# KiCad board ddr5-testboard.kicad_pcb (continued)
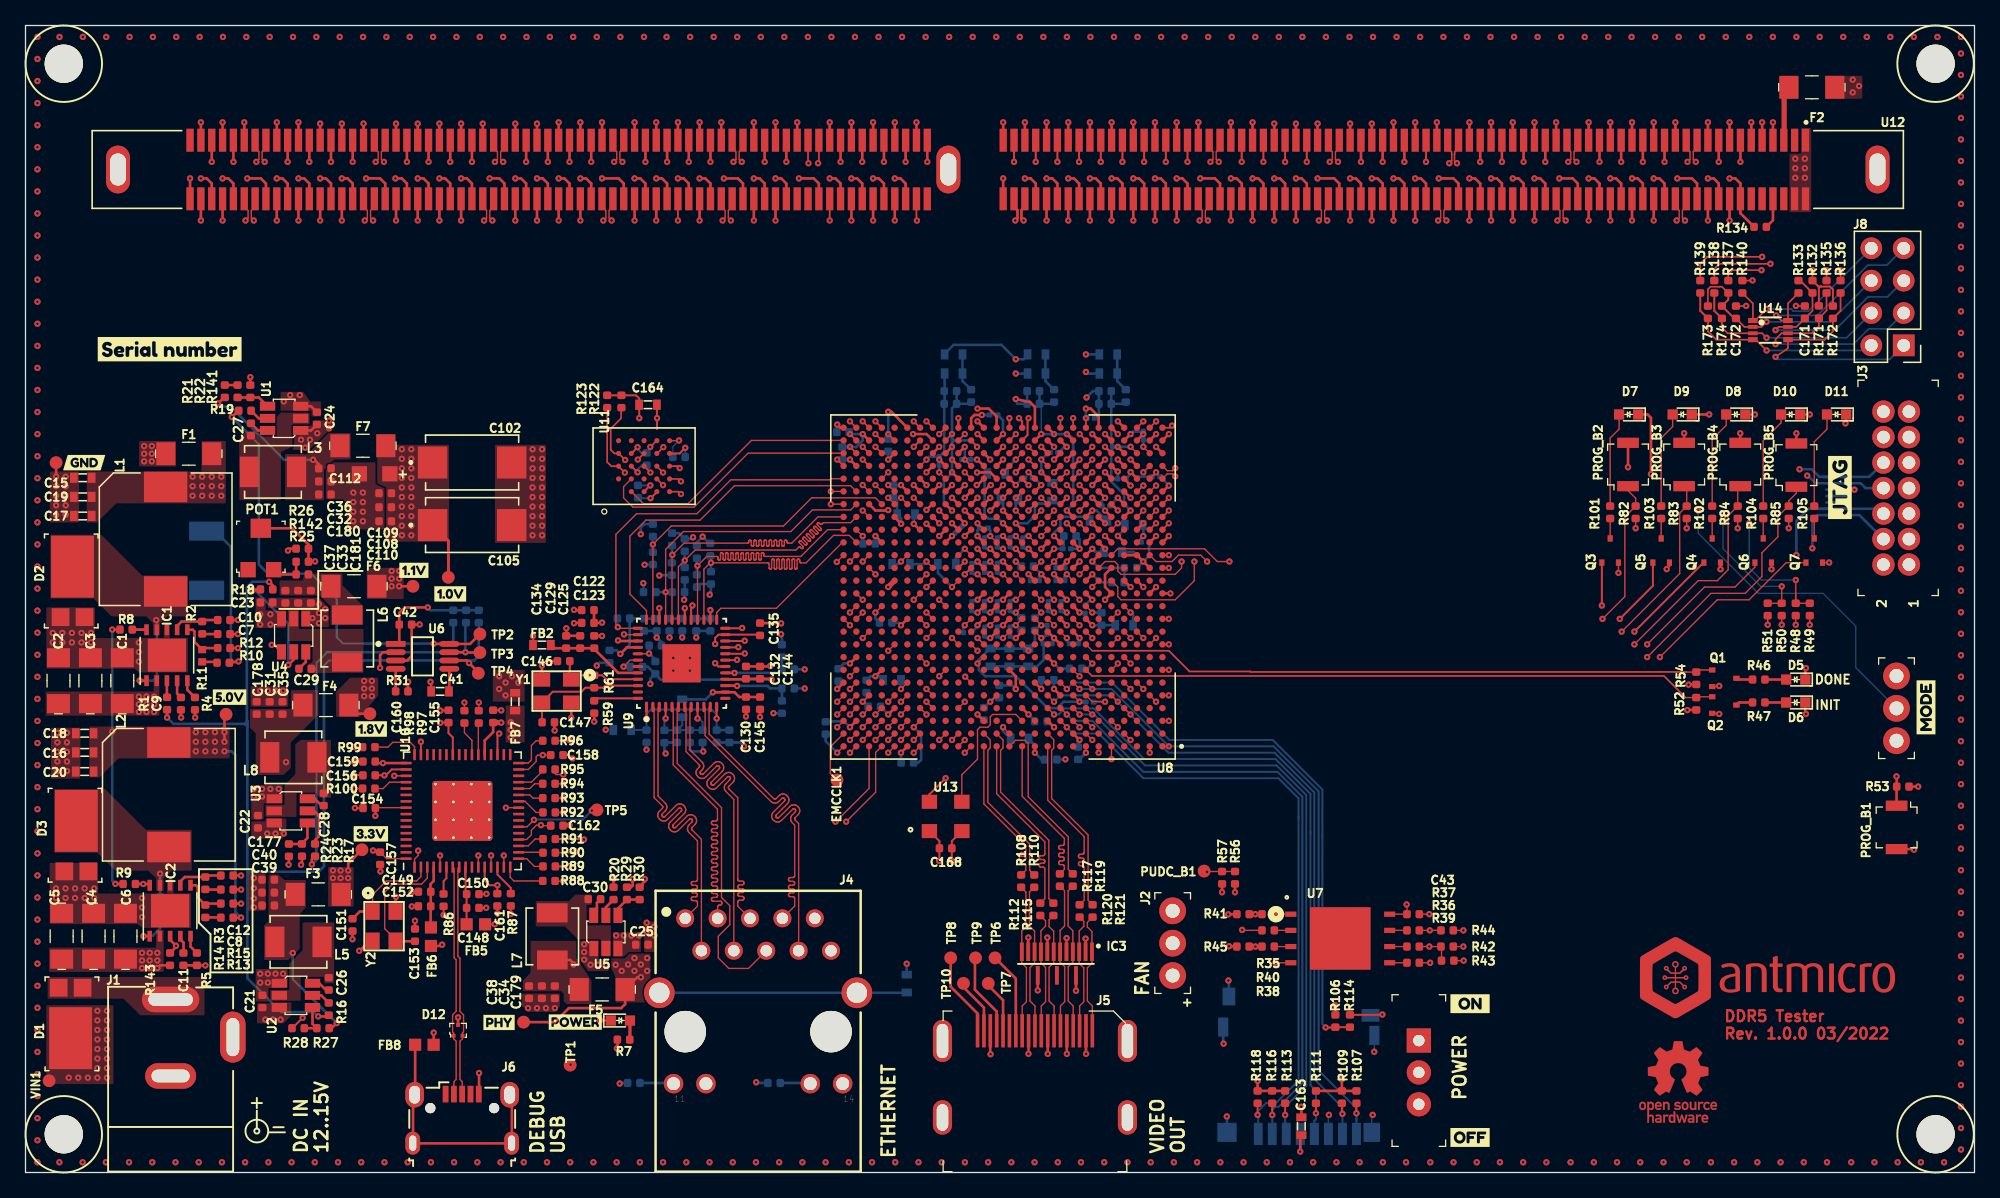
[diagram p0: board, top side]
## Routing (per net, layer and track width the routed paths; a pad name or vN(x,y) marks a point on that pad's centre or on a via; arc(x,y) is an arc through that point) (continued)
DQ4_A: length 77.6
  Top w0.2: U12.14 v4(128.5,79.3) ; U8.U1 v4(89.64,49.94)
  In2.Cu w0.127: v4(89.64,49.94) 113.89,49.94 128.5,64.55 128.5,72.8 128.5,72.83 128.49,72.86 128.47,72.88 128.45,72.9 128.43,72.92 128.4,72.93 128.37,72.93 128.23,72.93 128.2,72.93 128.18,72.94 128.15,72.96 128.13,72.98 128.12,73 128.11,73.03 128.1,73.06 128.11,73.09 128.12,73.11 128.13,73.14 128.15,73.16 128.18,73.17 128.2,73.18 128.23,73.19 128.77,73.19 128.8,73.19 128.82,73.2 128.85,73.21 128.87,73.23 128.88,73.26 128.89,73.28 128.9,73.31 128.89,73.34 128.88,73.37 128.87,73.39 128.85,73.41 128.82,73.43 128.8,73.44 128.77,73.44 128.23,73.44 128.2,73.44 128.18,73.45 128.15,73.47 128.13,73.49 128.12,73.51 128.11,73.54 128.1,73.57 128.11,73.59 128.12,73.62 128.13,73.65 128.15,73.67 128.18,73.68 128.2,73.69 128.23,73.69 128.77,73.69 128.8,73.7 128.82,73.71 128.85,73.72 128.87,73.74 128.88,73.76 128.89,73.79 128.9,73.82 128.89,73.85 128.88,73.88 128.87,73.9 128.85,73.92 128.82,73.93 128.8,73.94 128.77,73.95 128.23,73.95 128.2,73.95 128.18,73.96 128.15,73.97 128.13,73.99 128.12,74.02 128.11,74.05 128.1,74.07 128.11,74.1 128.12,74.13 128.13,74.15 128.15,74.17 128.18,74.19 128.2,74.2 128.23,74.2 128.77,74.2 128.8,74.2 128.82,74.21 128.85,74.23 128.87,74.25 128.88,74.27 128.89,74.3 128.9,74.33 128.89,74.36 128.88,74.38 128.87,74.41 128.85,74.43 128.82,74.44 128.8,74.45 128.77,74.45 128.23,74.45 128.2,74.46 128.18,74.47 128.15,74.48 128.13,74.5 128.12,74.53 128.11,74.55 128.1,74.58 128.11,74.61 128.12,74.64 128.13,74.66 128.15,74.68 128.18,74.7 128.2,74.71 128.23,74.71 128.77,74.71 128.8,74.71 128.82,74.72 128.85,74.74 128.87,74.76 128.88,74.78 128.89,74.81 128.9,74.84 128.89,74.86 128.88,74.89 128.87,74.92 128.85,74.94 128.82,74.95 128.8,74.96 128.77,74.96 128.23,74.96 128.2,74.97 128.18,74.98 128.15,74.99 128.13,75.01 128.12,75.03 128.11,75.06 128.1,75.09 128.11,75.12 128.12,75.15 128.13,75.17 128.15,75.19 128.18,75.2 128.2,75.21 128.23,75.22 128.77,75.22 128.8,75.22 128.82,75.23 128.85,75.24 128.87,75.26 128.88,75.29 128.89,75.32 128.9,75.34 128.89,75.37 128.88,75.4 128.87,75.42 128.85,75.44 128.82,75.46 128.8,75.47 128.77,75.47 128.23,75.47 128.2,75.47 128.18,75.48 128.15,75.5 128.13,75.52 128.12,75.54 128.11,75.57 128.1,75.6 128.11,75.63 128.12,75.65 128.13,75.68 128.15,75.7 128.18,75.71 128.2,75.72 128.23,75.72 128.77,75.72 128.8,75.73 128.82,75.74 128.85,75.75 128.87,75.77 128.88,75.8 128.89,75.82 128.9,75.85 128.89,75.88 128.88,75.91 128.87,75.93 128.85,75.95 128.82,75.97 128.8,75.98 128.77,75.98 128.23,75.98 128.2,75.98 128.18,75.99 128.15,76.01 128.13,76.03 128.12,76.05 128.11,76.08 128.1,76.11 128.11,76.13 128.12,76.16 128.13,76.19 128.15,76.21 128.18,76.22 128.2,76.23 128.23,76.23 128.77,76.23 128.8,76.24 128.82,76.25 128.85,76.26 128.87,76.28 128.88,76.3 128.89,76.33 128.9,76.36 128.89,76.39 128.88,76.42 128.87,76.44 128.85,76.46 128.82,76.47 128.8,76.48 128.77,76.49 128.23,76.49 128.2,76.49 128.18,76.5 128.15,76.51 128.13,76.53 128.12,76.56 128.11,76.59 128.1,76.61 128.11,76.64 128.12,76.67 128.13,76.69 128.15,76.71 128.18,76.73 128.2,76.74 128.23,76.74 128.77,76.74 128.8,76.74 128.82,76.75 128.85,76.77 128.87,76.79 128.88,76.81 128.89,76.84 128.9,76.87 128.89,76.9 128.88,76.92 128.87,76.95 128.85,76.97 128.82,76.98 128.8,76.99 128.77,77 128.23,77 128.2,77 128.18,77.01 128.15,77.02 128.13,77.04 128.12,77.07 128.11,77.09 128.1,77.12 128.11,77.15 128.12,77.18 128.13,77.2 128.15,77.22 128.18,77.24 128.2,77.25 128.23,77.25 128.77,77.25 128.8,77.25 128.82,77.26 128.85,77.28 128.87,77.3 128.88,77.32 128.89,77.35 128.9,77.38 128.89,77.4 128.88,77.43 128.87,77.46 128.85,77.48 128.82,77.49 128.8,77.5 128.77,77.5 128.23,77.5 128.2,77.51 128.18,77.52 128.15,77.53 128.13,77.55 128.12,77.57 128.11,77.6 128.1,77.63 128.11,77.66 128.12,77.69 128.13,77.71 128.15,77.73 128.18,77.74 128.2,77.75 128.23,77.76 128.77,77.76 128.8,77.76 128.82,77.77 128.85,77.78 128.87,77.8 128.88,77.83 128.89,77.86 128.9,77.88 128.89,77.91 128.88,77.94 128.87,77.96 128.85,77.98 128.82,78 128.8,78.01 128.77,78.01 128.23,78.01 128.2,78.01 128.18,78.02 128.15,78.04 128.13,78.06 128.12,78.08 128.11,78.11 128.1,78.14 128.11,78.17 128.12,78.19 128.13,78.22 128.15,78.24 128.18,78.25 128.2,78.26 128.23,78.27 128.77,78.27 128.8,78.27 128.82,78.28 128.85,78.29 128.87,78.31 128.88,78.34 128.89,78.36 128.9,78.39 128.89,78.42 128.88,78.45 128.87,78.47 128.85,78.49 128.82,78.51 128.8,78.52 128.77,78.52 128.23,78.52 128.2,78.52 128.18,78.53 128.15,78.55 128.13,78.57 128.12,78.59 128.11,78.62 128.1,78.65 128.11,78.67 128.12,78.7 128.13,78.73 128.15,78.75 128.18,78.76 128.2,78.77 128.23,78.77 128.37,78.77 128.4,78.78 128.43,78.79 128.45,78.8 128.47,78.82 128.49,78.84 128.5,78.87 128.5,78.9 v4(128.5,79.3)
DQ4_B: length 57.1
  Top w0.127: U8.AE17 v4(73.64,57.94)
  Top w0.2: U12.107 v4(44.35,79.3)
  In2.Cu w0.127: v4(44.35,79.3) 44.35,78.9 44.35,78.87 44.34,78.84 44.32,78.82 44.3,78.8 44.28,78.79 44.25,78.78 44.22,78.77 44.11,78.77 44.08,78.77 44.06,78.76 44.03,78.75 44.01,78.73 44,78.7 43.99,78.67 43.98,78.65 43.99,78.62 44,78.59 44.01,78.57 44.03,78.55 44.06,78.53 44.08,78.52 44.11,78.52 44.59,78.52 44.62,78.52 44.64,78.51 44.67,78.49 44.69,78.47 44.7,78.45 44.71,78.42 44.72,78.39 44.71,78.36 44.7,78.34 44.69,78.31 44.67,78.29 44.64,78.28 44.62,78.27 44.59,78.27 44.11,78.27 44.08,78.26 44.06,78.25 44.03,78.24 44.01,78.22 44,78.19 43.99,78.17 43.98,78.14 43.99,78.11 44,78.08 44.01,78.06 44.03,78.04 44.06,78.02 44.08,78.01 44.11,78.01 44.59,78.01 44.62,78.01 44.64,78 44.67,77.98 44.69,77.96 44.7,77.94 44.71,77.91 44.72,77.88 44.71,77.86 44.7,77.83 44.69,77.8 44.67,77.78 44.64,77.77 44.62,77.76 44.59,77.76 44.11,77.76 44.08,77.75 44.06,77.74 44.03,77.73 44.01,77.71 44,77.69 43.99,77.66 43.98,77.63 43.99,77.6 44,77.57 44.01,77.55 44.03,77.53 44.06,77.52 44.08,77.51 44.11,77.5 44.59,77.5 44.62,77.5 44.64,77.49 44.67,77.48 44.69,77.46 44.7,77.43 44.71,77.4 44.72,77.38 44.71,77.35 44.7,77.32 44.69,77.3 44.67,77.28 44.64,77.26 44.62,77.25 44.59,77.25 44.11,77.25 44.08,77.25 44.06,77.24 44.03,77.22 44.01,77.2 44,77.18 43.99,77.15 43.98,77.12 43.99,77.09 44,77.07 44.01,77.04 44.03,77.02 44.06,77.01 44.08,77 44.11,77 44.59,77 44.62,76.99 44.64,76.98 44.67,76.97 44.69,76.95 44.7,76.92 44.71,76.9 44.72,76.87 44.71,76.84 44.7,76.81 44.69,76.79 44.67,76.77 44.64,76.75 44.62,76.74 44.59,76.74 44.11,76.74 44.08,76.74 44.06,76.73 44.03,76.71 44.01,76.69 44,76.67 43.99,76.64 43.98,76.61 43.99,76.59 44,76.56 44.01,76.53 44.03,76.51 44.06,76.5 44.08,76.49 44.11,76.49 44.22,76.49 44.25,76.48 44.28,76.47 44.3,76.46 44.32,76.44 44.34,76.42 44.35,76.39 44.35,76.36 44.35,63.98 45.89,62.44 69.39,62.44 71.14,60.69 71.14,57.77 71.47,57.44 U8.AE17 v4(73.64,57.94)
DQ5_A: length 77.6
  Top w0.2: U12.16 v4(126.8,79.3) ; U8.V3 v4(87.64,50.94)
  In2.Cu w0.127: v4(87.64,50.94) 88.14,51.44 90.14,51.44 90.64,50.94 112.89,50.94 126.8,64.85 126.8,72.7 126.8,72.73 126.79,72.76 126.77,72.78 126.75,72.8 126.73,72.82 126.7,72.83 126.67,72.83 126.53,72.83 126.51,72.83 126.48,72.84 126.46,72.86 126.43,72.88 126.42,72.9 126.41,72.93 126.41,72.96 126.41,72.99 126.42,73.01 126.43,73.04 126.46,73.06 126.48,73.07 126.51,73.08 126.53,73.09 127.07,73.09 127.09,73.09 127.12,73.1 127.14,73.11 127.17,73.13 127.18,73.16 127.19,73.18 127.19,73.21 127.19,73.24 127.18,73.27 127.17,73.29 127.14,73.31 127.12,73.33 127.09,73.34 127.07,73.34 126.53,73.34 126.51,73.34 126.48,73.35 126.46,73.37 126.43,73.39 126.42,73.41 126.41,73.44 126.41,73.47 126.41,73.49 126.42,73.52 126.43,73.55 126.46,73.57 126.48,73.58 126.51,73.59 126.53,73.59 127.07,73.59 127.09,73.6 127.12,73.61 127.14,73.62 127.17,73.64 127.18,73.66 127.19,73.69 127.19,73.72 127.19,73.75 127.18,73.78 127.17,73.8 127.14,73.82 127.12,73.83 127.09,73.84 127.07,73.85 126.53,73.85 126.51,73.85 126.48,73.86 126.46,73.87 126.43,73.89 126.42,73.92 126.41,73.95 126.41,73.97 126.41,74 126.42,74.03 126.43,74.05 126.46,74.07 126.48,74.09 126.51,74.1 126.53,74.1 127.07,74.1 127.09,74.1 127.12,74.11 127.14,74.13 127.17,74.15 127.18,74.17 127.19,74.2 127.19,74.23 127.19,74.26 127.18,74.28 127.17,74.31 127.14,74.33 127.12,74.34 127.09,74.35 127.07,74.35 126.53,74.35 126.51,74.36 126.48,74.37 126.46,74.38 126.43,74.4 126.42,74.43 126.41,74.45 126.41,74.48 126.41,74.51 126.42,74.54 126.43,74.56 126.46,74.58 126.48,74.6 126.51,74.61 126.53,74.61 127.07,74.61 127.09,74.61 127.12,74.62 127.14,74.64 127.17,74.66 127.18,74.68 127.19,74.71 127.19,74.74 127.19,74.76 127.18,74.79 127.17,74.82 127.14,74.84 127.12,74.85 127.09,74.86 127.07,74.86 126.53,74.86 126.51,74.87 126.48,74.88 126.46,74.89 126.43,74.91 126.42,74.93 126.41,74.96 126.41,74.99 126.41,75.02 126.42,75.05 126.43,75.07 126.46,75.09 126.48,75.1 126.51,75.11 126.53,75.12 127.07,75.12 127.09,75.12 127.12,75.13 127.14,75.14 127.17,75.16 127.18,75.19 127.19,75.22 127.19,75.24 127.19,75.27 127.18,75.3 127.17,75.32 127.14,75.34 127.12,75.36 127.09,75.37 127.07,75.37 126.53,75.37 126.51,75.37 126.48,75.38 126.46,75.4 126.43,75.42 126.42,75.44 126.41,75.47 126.41,75.5 126.41,75.53 126.42,75.55 126.43,75.58 126.46,75.6 126.48,75.61 126.51,75.62 126.53,75.62 127.07,75.62 127.09,75.63 127.12,75.64 127.14,75.65 127.17,75.67 127.18,75.7 127.19,75.72 127.19,75.75 127.19,75.78 127.18,75.81 127.17,75.83 127.14,75.85 127.12,75.87 127.09,75.88 127.07,75.88 126.53,75.88 126.51,75.88 126.48,75.89 126.46,75.91 126.43,75.93 126.42,75.95 126.41,75.98 126.41,76.01 126.41,76.03 126.42,76.06 126.43,76.09 126.46,76.11 126.48,76.12 126.51,76.13 126.53,76.13 127.07,76.13 127.09,76.14 127.12,76.15 127.14,76.16 127.17,76.18 127.18,76.2 127.19,76.23 127.19,76.26 127.19,76.29 127.18,76.32 127.17,76.34 127.14,76.36 127.12,76.37 127.09,76.38 127.07,76.39 126.53,76.39 126.51,76.39 126.48,76.4 126.46,76.41 126.43,76.43 126.42,76.46 126.41,76.49 126.41,76.51 126.41,76.54 126.42,76.57 126.43,76.59 126.46,76.61 126.48,76.63 126.51,76.64 126.53,76.64 127.07,76.64 127.09,76.64 127.12,76.65 127.14,76.67 127.17,76.69 127.18,76.71 127.19,76.74 127.19,76.77 127.19,76.8 127.18,76.82 127.17,76.85 127.14,76.87 127.12,76.88 127.09,76.89 127.07,76.9 126.53,76.9 126.51,76.9 126.48,76.91 126.46,76.92 126.43,76.94 126.42,76.97 126.41,76.99 126.41,77.02 126.41,77.05 126.42,77.08 126.43,77.1 126.46,77.12 126.48,77.14 126.51,77.15 126.53,77.15 127.07,77.15 127.09,77.15 127.12,77.16 127.14,77.18 127.17,77.2 127.18,77.22 127.19,77.25 127.19,77.28 127.19,77.3 127.18,77.33 127.17,77.36 127.14,77.38 127.12,77.39 127.09,77.4 127.07,77.4 126.53,77.4 126.51,77.41 126.48,77.42 126.46,77.43 126.43,77.45 126.42,77.47 126.41,77.5 126.41,77.53 126.41,77.56 126.42,77.59 126.43,77.61 126.46,77.63 126.48,77.64 126.51,77.65 126.53,77.66 127.07,77.66 127.09,77.66 127.12,77.67 127.14,77.68 127.17,77.7 127.18,77.73 127.19,77.76 127.19,77.78 127.19,77.81 127.18,77.84 127.17,77.86 127.14,77.88 127.12,77.9 127.09,77.91 127.07,77.91 126.53,77.91 126.51,77.91 126.48,77.92 126.46,77.94 126.43,77.96 126.42,77.98 126.41,78.01 126.41,78.04 126.41,78.07 126.42,78.09 126.43,78.12 126.46,78.14 126.48,78.15 126.51,78.16 126.53,78.16 127.07,78.16 127.09,78.17 127.12,78.18 127.14,78.19 127.17,78.21 127.18,78.24 127.19,78.26 127.19,78.29 127.19,78.32 127.18,78.35 127.17,78.37 127.14,78.39 127.12,78.41 127.09,78.42 127.07,78.42 126.53,78.42 126.51,78.42 126.48,78.43 126.46,78.45 126.43,78.47 126.42,78.49 126.41,78.52 126.41,78.55 126.41,78.57 126.42,78.6 126.43,78.63 126.46,78.65 126.48,78.66 126.51,78.67 126.53,78.67 126.67,78.67 126.7,78.68 126.73,78.69 126.75,78.7 126.77,78.72 126.79,78.74 126.8,78.77 126.8,78.8 v4(126.8,79.3)
DQ5_B: length 57.1
  Top w0.2: U12.109 v4(42.65,79.3) ; U8.AD15 v4(75.64,55.94)
  In2.Cu w0.127: v4(42.65,79.3) 42.65,63.93 45.14,61.44 68.89,61.44 70.14,60.19 70.14,55.69 70.39,55.44 75.14,55.44 v4(75.64,55.94)
DQ6_A: length 77.6
  Top w0.2: U12.159 v4(127.65,74.7) ; U8.U2 v4(88.64,49.94)
  In2.Cu w0.127: v4(127.65,74.7) 127.65,72.95 127.65,72.92 127.64,72.89 127.62,72.87 127.6,72.85 127.58,72.84 127.55,72.83 127.52,72.82 127.39,72.82 127.36,72.82 127.33,72.81 127.31,72.8 127.29,72.78 127.27,72.75 127.26,72.72 127.26,72.7 127.26,72.67 127.27,72.64 127.29,72.62 127.31,72.6 127.33,72.58 127.36,72.57 127.39,72.57 127.91,72.57 127.94,72.57 127.97,72.56 127.99,72.54 128.01,72.52 128.03,72.5 128.04,72.47 128.04,72.44 128.04,72.41 128.03,72.39 128.01,72.36 127.99,72.34 127.97,72.33 127.94,72.32 127.91,72.31 127.39,72.31 127.36,72.31 127.33,72.3 127.31,72.29 127.29,72.27 127.27,72.24 127.26,72.22 127.26,72.19 127.26,72.16 127.27,72.13 127.29,72.11 127.31,72.09 127.33,72.07 127.36,72.06 127.39,72.06 127.91,72.06 127.94,72.06 127.97,72.05 127.99,72.03 128.01,72.01 128.03,71.99 128.04,71.96 128.04,71.93 128.04,71.91 128.03,71.88 128.01,71.85 127.99,71.83 127.97,71.82 127.94,71.81 127.91,71.81 127.39,71.81 127.36,71.8 127.33,71.79 127.31,71.78 127.29,71.76 127.27,71.74 127.26,71.71 127.26,71.68 127.26,71.65 127.27,71.62 127.29,71.6 127.31,71.58 127.33,71.57 127.36,71.56 127.39,71.55 127.91,71.55 127.94,71.55 127.97,71.54 127.99,71.53 128.01,71.51 128.03,71.48 128.04,71.45 128.04,71.43 128.04,71.4 128.03,71.37 128.01,71.35 127.99,71.33 127.97,71.31 127.94,71.3 127.91,71.3 127.39,71.3 127.36,71.3 127.33,71.29 127.31,71.27 127.29,71.25 127.27,71.23 127.26,71.2 127.26,71.17 127.26,71.14 127.27,71.12 127.29,71.09 127.31,71.07 127.33,71.06 127.36,71.05 127.39,71.05 127.91,71.05 127.94,71.04 127.97,71.03 127.99,71.02 128.01,71 128.03,70.97 128.04,70.95 128.04,70.92 128.04,70.89 128.03,70.86 128.01,70.84 127.99,70.82 127.97,70.8 127.94,70.79 127.91,70.79 127.39,70.79 127.36,70.79 127.33,70.78 127.31,70.76 127.29,70.74 127.27,70.72 127.26,70.69 127.26,70.66 127.26,70.64 127.27,70.61 127.29,70.58 127.31,70.56 127.33,70.55 127.36,70.54 127.39,70.54 127.91,70.54 127.94,70.53 127.97,70.52 127.99,70.51 128.01,70.49 128.03,70.47 128.04,70.44 128.04,70.41 128.04,70.38 128.03,70.35 128.01,70.33 127.99,70.31 127.97,70.3 127.94,70.29 127.91,70.28 127.39,70.28 127.36,70.28 127.33,70.27 127.31,70.26 127.29,70.24 127.27,70.21 127.26,70.18 127.26,70.16 127.26,70.13 127.27,70.1 127.29,70.08 127.31,70.06 127.33,70.04 127.36,70.03 127.39,70.03 127.91,70.03 127.94,70.03 127.97,70.02 127.99,70 128.01,69.98 128.03,69.96 128.04,69.93 128.04,69.9 128.04,69.87 128.03,69.85 128.01,69.82 127.99,69.8 127.97,69.79 127.94,69.78 127.91,69.78 127.39,69.78 127.36,69.77 127.33,69.76 127.31,69.75 127.29,69.73 127.27,69.7 127.26,69.68 127.26,69.65 127.26,69.62 127.27,69.59 127.29,69.57 127.31,69.55 127.33,69.53 127.36,69.52 127.39,69.52 127.91,69.52 127.94,69.52 127.97,69.51 127.99,69.49 128.01,69.47 128.03,69.45 128.04,69.42 128.04,69.39 128.04,69.37 128.03,69.34 128.01,69.31 127.99,69.29 127.97,69.28 127.94,69.27 127.91,69.27 127.39,69.27 127.36,69.26 127.33,69.25 127.31,69.24 127.29,69.22 127.27,69.2 127.26,69.17 127.26,69.14 127.26,69.11 127.27,69.08 127.29,69.06 127.31,69.04 127.33,69.03 127.36,69.02 127.39,69.01 127.91,69.01 127.94,69.01 127.97,69 127.99,68.99 128.01,68.97 128.03,68.94 128.04,68.91 128.04,68.89 128.04,68.86 128.03,68.83 128.01,68.81 127.99,68.79 127.97,68.77 127.94,68.76 127.91,68.76 127.39,68.76 127.36,68.76 127.33,68.75 127.31,68.73 127.29,68.71 127.27,68.69 127.26,68.66 127.26,68.63 127.26,68.6 127.27,68.58 127.29,68.55 127.31,68.53 127.33,68.52 127.36,68.51 127.39,68.5 127.91,68.5 127.94,68.5 127.97,68.49 127.99,68.48 128.01,68.46 128.03,68.43 128.04,68.41 128.04,68.38 128.04,68.35 128.03,68.32 128.01,68.3 127.99,68.28 127.97,68.26 127.94,68.25 127.91,68.25 127.39,68.25 127.36,68.25 127.33,68.24 127.31,68.22 127.29,68.2 127.27,68.18 127.26,68.15 127.26,68.12 127.26,68.1 127.27,68.07 127.29,68.04 127.31,68.02 127.33,68.01 127.36,68 127.39,68 127.91,68 127.94,67.99 127.97,67.98 127.99,67.97 128.01,67.95 128.03,67.93 128.04,67.9 128.04,67.87 128.04,67.84 128.03,67.81 128.01,67.79 127.99,67.77 127.97,67.76 127.94,67.75 127.91,67.74 127.39,67.74 127.36,67.74 127.33,67.73 127.31,67.72 127.29,67.7 127.27,67.67 127.26,67.64 127.26,67.62 127.26,67.59 127.27,67.56 127.29,67.54 127.31,67.52 127.33,67.5 127.36,67.49 127.39,67.49 127.91,67.49 127.94,67.49 127.97,67.48 127.99,67.46 128.01,67.44 128.03,67.42 128.04,67.39 128.04,67.36 128.04,67.33 128.03,67.31 128.01,67.28 127.99,67.26 127.97,67.25 127.94,67.24 127.91,67.23 127.39,67.23 127.36,67.23 127.33,67.22 127.31,67.21 127.29,67.19 127.27,67.16 127.26,67.14 127.26,67.11 127.26,67.08 127.27,67.05 127.29,67.03 127.31,67.01 127.33,66.99 127.36,66.98 127.39,66.98 127.91,66.98 127.94,66.98 127.97,66.97 127.99,66.95 128.01,66.93 128.03,66.91 128.04,66.88 128.04,66.85 128.04,66.83 128.03,66.8 128.01,66.77 127.99,66.75 127.97,66.74 127.94,66.73 127.91,66.73 127.39,66.73 127.36,66.72 127.33,66.71 127.31,66.7 127.29,66.68 127.27,66.66 127.26,66.63 127.26,66.6 127.26,66.57 127.27,66.54 127.29,66.52 127.31,66.5 127.33,66.49 127.36,66.48 127.39,66.47 127.91,66.47 127.94,66.47 127.97,66.46 127.99,66.45 128.01,66.43 128.03,66.4 128.04,66.37 128.04,66.35 128.04,66.32 128.03,66.29 128.01,66.27 127.99,66.25 127.97,66.23 127.94,66.22 127.91,66.22 127.39,66.22 127.36,66.22 127.33,66.21 127.31,66.19 127.29,66.17 127.27,66.15 127.26,66.12 127.26,66.09 127.26,66.06 127.27,66.04 127.29,66.01 127.31,65.99 127.33,65.98 127.36,65.97 127.39,65.97 127.91,65.97 127.94,65.96 127.97,65.95 127.99,65.94 128.01,65.92 128.03,65.89 128.04,65.87 128.04,65.84 128.04,65.81 128.03,65.78 128.01,65.76 127.99,65.74 127.97,65.72 127.94,65.71 127.91,65.71 127.39,65.71 127.36,65.71 127.33,65.7 127.31,65.68 127.29,65.66 127.27,65.64 127.26,65.61 127.26,65.58 127.26,65.56 127.27,65.53 127.29,65.5 127.31,65.48 127.33,65.47 127.36,65.46 127.39,65.46 127.91,65.46 127.94,65.45 127.97,65.44 127.99,65.43 128.01,65.41 128.03,65.39 128.04,65.36 128.04,65.33 128.04,65.3 128.03,65.27 128.01,65.25 127.99,65.23 127.97,65.22 127.94,65.21 127.91,65.2 127.78,65.2 127.75,65.2 127.72,65.19 127.7,65.18 127.68,65.16 127.66,65.13 127.65,65.1 127.65,65.08 127.65,64.7 113.39,50.44 89.14,50.44 v4(88.64,49.94)
DQ6_B: length 57.1
  Top w0.127: U8.AF19 v4(70.64,58.94)
  Top w0.2: U12.252 v4(43.5,74.7)
  In2.Cu w0.127: v4(43.5,74.7) 43.5,74.25 43.5,74.22 43.49,74.19 43.47,74.17 43.45,74.15 43.43,74.14 43.4,74.13 43.37,74.12 43.24,74.12 43.21,74.12 43.18,74.11 43.16,74.1 43.14,74.08 43.12,74.05 43.11,74.02 43.11,74 43.11,73.97 43.12,73.94 43.14,73.92 43.16,73.9 43.18,73.88 43.21,73.87 43.24,73.87 43.76,73.87 43.79,73.87 43.82,73.86 43.84,73.84 43.86,73.82 43.88,73.8 43.89,73.77 43.89,73.74 43.89,73.71 43.88,73.69 43.86,73.66 43.84,73.64 43.82,73.63 43.79,73.62 43.76,73.62 43.24,73.62 43.21,73.61 43.18,73.6 43.16,73.59 43.14,73.57 43.12,73.54 43.11,73.52 43.11,73.49 43.11,73.46 43.12,73.43 43.14,73.41 43.16,73.39 43.18,73.37 43.21,73.36 43.24,73.36 43.76,73.36 43.79,73.36 43.82,73.35 43.84,73.33 43.86,73.31 43.88,73.29 43.89,73.26 43.89,73.23 43.89,73.21 43.88,73.18 43.86,73.15 43.84,73.13 43.82,73.12 43.79,73.11 43.76,73.11 43.24,73.11 43.21,73.1 43.18,73.09 43.16,73.08 43.14,73.06 43.12,73.04 43.11,73.01 43.11,72.98 43.11,72.95 43.12,72.92 43.14,72.9 43.16,72.88 43.18,72.87 43.21,72.86 43.24,72.85 43.76,72.85 43.79,72.85 43.82,72.84 43.84,72.83 43.86,72.81 43.88,72.78 43.89,72.75 43.89,72.73 43.89,72.7 43.88,72.67 43.86,72.65 43.84,72.63 43.82,72.61 43.79,72.6 43.76,72.6 43.24,72.6 43.21,72.6 43.18,72.59 43.16,72.57 43.14,72.55 43.12,72.53 43.11,72.5 43.11,72.47 43.11,72.44 43.12,72.42 43.14,72.39 43.16,72.37 43.18,72.36 43.21,72.35 43.24,72.34 43.76,72.34 43.79,72.34 43.82,72.33 43.84,72.32 43.86,72.3 43.88,72.27 43.89,72.25 43.89,72.22 43.89,72.19 43.88,72.16 43.86,72.14 43.84,72.12 43.82,72.1 43.79,72.09 43.76,72.09 43.24,72.09 43.21,72.09 43.18,72.08 43.16,72.06 43.14,72.04 43.12,72.02 43.11,71.99 43.11,71.96 43.11,71.94 43.12,71.91 43.14,71.88 43.16,71.86 43.18,71.85 43.21,71.84 43.24,71.84 43.76,71.84 43.79,71.83 43.82,71.82 43.84,71.81 43.86,71.79 43.88,71.77 43.89,71.74 43.89,71.71 43.89,71.68 43.88,71.65 43.86,71.63 43.84,71.61 43.82,71.6 43.79,71.59 43.76,71.58 43.24,71.58 43.21,71.58 43.18,71.57 43.16,71.56 43.14,71.54 43.12,71.51 43.11,71.48 43.11,71.46 43.11,71.43 43.12,71.4 43.14,71.38 43.16,71.36 43.18,71.34 43.21,71.33 43.24,71.33 43.76,71.33 43.79,71.33 43.82,71.32 43.84,71.3 43.86,71.28 43.88,71.26 43.89,71.23 43.89,71.2 43.89,71.17 43.88,71.15 43.86,71.12 43.84,71.1 43.82,71.09 43.79,71.08 43.76,71.08 43.24,71.08 43.21,71.07 43.18,71.06 43.16,71.05 43.14,71.03 43.12,71 43.11,70.98 43.11,70.95 43.11,70.92 43.12,70.89 43.14,70.87 43.16,70.85 43.18,70.83 43.21,70.82 43.24,70.82 43.76,70.82 43.79,70.82 43.82,70.81 43.84,70.79 43.86,70.77 43.88,70.75 43.89,70.72 43.89,70.69 43.89,70.67 43.88,70.64 43.86,70.61 43.84,70.59 43.82,70.58 43.79,70.57 43.76,70.57 43.24,70.57 43.21,70.56 43.18,70.55 43.16,70.54 43.14,70.52 43.12,70.5 43.11,70.47 43.11,70.44 43.11,70.41 43.12,70.38 43.14,70.36 43.16,70.34 43.18,70.33 43.21,70.32 43.24,70.31 43.76,70.31 43.79,70.31 43.82,70.3 43.84,70.29 43.86,70.27 43.88,70.24 43.89,70.21 43.89,70.19 43.89,70.16 43.88,70.13 43.86,70.11 43.84,70.09 43.82,70.07 43.79,70.06 43.76,70.06 43.24,70.06 43.21,70.06 43.18,70.05 43.16,70.03 43.14,70.01 43.12,69.99 43.11,69.96 43.11,69.93 43.11,69.9 43.12,69.88 43.14,69.85 43.16,69.83 43.18,69.82 43.21,69.81 43.24,69.81 43.76,69.81 43.79,69.8 43.82,69.79 43.84,69.78 43.86,69.76 43.88,69.73 43.89,69.71 43.89,69.68 43.89,69.65 43.88,69.62 43.86,69.6 43.84,69.58 43.82,69.56 43.79,69.55 43.76,69.55 43.24,69.55 43.21,69.55 43.18,69.54 43.16,69.52 43.14,69.5 43.12,69.48 43.11,69.45 43.11,69.42 43.11,69.4 43.12,69.37 43.14,69.34 43.16,69.32 43.18,69.31 43.21,69.3 43.24,69.3 43.76,69.3 43.79,69.29 43.82,69.28 43.84,69.27 43.86,69.25 43.88,69.23 43.89,69.2 43.89,69.17 43.89,69.14 43.88,69.11 43.86,69.09 43.84,69.07 43.82,69.06 43.79,69.05 43.76,69.04 43.24,69.04 43.21,69.04 43.18,69.03 43.16,69.02 43.14,69 43.12,68.97 43.11,68.94 43.11,68.92 43.11,68.89 43.12,68.86 43.14,68.84 43.16,68.82 43.18,68.8 43.21,68.79 43.24,68.79 43.37,68.79 43.4,68.79 43.43,68.78 43.45,68.76 43.47,68.74 43.49,68.72 43.5,68.69 43.5,68.66 43.5,64.08 45.64,61.94 69.14,61.94 70.64,60.44 v4(70.64,58.94)
DQ7_A: length 77.6
  Top w0.127: U8.W3 v4(87.64,51.94)
  Top w0.2: U12.161 v4(125.95,74.7)
  In2.Cu w0.127: v4(125.95,74.7) 125.95,72.75 125.95,72.72 125.94,72.69 125.92,72.67 125.9,72.65 125.88,72.64 125.85,72.63 125.82,72.62 125.68,72.62 125.65,72.62 125.63,72.61 125.6,72.6 125.58,72.58 125.57,72.55 125.56,72.52 125.55,72.5 125.56,72.47 125.57,72.44 125.58,72.42 125.6,72.4 125.63,72.38 125.65,72.37 125.68,72.37 126.22,72.37 126.25,72.37 126.27,72.36 126.3,72.34 126.32,72.32 126.33,72.3 126.34,72.27 126.35,72.24 126.34,72.21 126.33,72.19 126.32,72.16 126.3,72.14 126.27,72.13 126.25,72.12 126.22,72.12 125.68,72.12 125.65,72.11 125.63,72.1 125.6,72.09 125.58,72.07 125.57,72.04 125.56,72.02 125.55,71.99 125.56,71.96 125.57,71.93 125.58,71.91 125.6,71.89 125.63,71.87 125.65,71.86 125.68,71.86 126.22,71.86 126.25,71.86 126.27,71.85 126.3,71.83 126.32,71.81 126.33,71.79 126.34,71.76 126.35,71.73 126.34,71.71 126.33,71.68 126.32,71.65 126.3,71.63 126.27,71.62 126.25,71.61 126.22,71.61 125.68,71.61 125.65,71.6 125.63,71.59 125.6,71.58 125.58,71.56 125.57,71.54 125.56,71.51 125.55,71.48 125.56,71.45 125.57,71.42 125.58,71.4 125.6,71.38 125.63,71.37 125.65,71.36 125.68,71.35 126.22,71.35 126.25,71.35 126.27,71.34 126.3,71.33 126.32,71.31 126.33,71.28 126.34,71.25 126.35,71.23 126.34,71.2 126.33,71.17 126.32,71.15 126.3,71.13 126.27,71.11 126.25,71.1 126.22,71.1 125.68,71.1 125.65,71.1 125.63,71.09 125.6,71.07 125.58,71.05 125.57,71.03 125.56,71 125.55,70.97 125.56,70.94 125.57,70.92 125.58,70.89 125.6,70.87 125.63,70.86 125.65,70.85 125.68,70.84 126.22,70.84 126.25,70.84 126.27,70.83 126.3,70.82 126.32,70.8 126.33,70.77 126.34,70.75 126.35,70.72 126.34,70.69 126.33,70.66 126.32,70.64 126.3,70.62 126.27,70.6 126.25,70.59 126.22,70.59 125.68,70.59 125.65,70.59 125.63,70.58 125.6,70.56 125.58,70.54 125.57,70.52 125.56,70.49 125.55,70.46 125.56,70.44 125.57,70.41 125.58,70.38 125.6,70.36 125.63,70.35 125.65,70.34 125.68,70.34 126.22,70.34 126.25,70.33 126.27,70.32 126.3,70.31 126.32,70.29 126.33,70.27 126.34,70.24 126.35,70.21 126.34,70.18 126.33,70.15 126.32,70.13 126.3,70.11 126.27,70.1 126.25,70.09 126.22,70.08 125.68,70.08 125.65,70.08 125.63,70.07 125.6,70.06 125.58,70.04 125.57,70.01 125.56,69.98 125.55,69.96 125.56,69.93 125.57,69.9 125.58,69.88 125.6,69.86 125.63,69.84 125.65,69.83 125.68,69.83 126.22,69.83 126.25,69.83 126.27,69.82 126.3,69.8 126.32,69.78 126.33,69.76 126.34,69.73 126.35,69.7 126.34,69.67 126.33,69.65 126.32,69.62 126.3,69.6 126.27,69.59 126.25,69.58 126.22,69.58 125.68,69.58 125.65,69.57 125.63,69.56 125.6,69.55 125.58,69.53 125.57,69.5 125.56,69.48 125.55,69.45 125.56,69.42 125.57,69.39 125.58,69.37 125.6,69.35 125.63,69.33 125.65,69.32 125.68,69.32 126.22,69.32 126.25,69.32 126.27,69.31 126.3,69.29 126.32,69.27 126.33,69.25 126.34,69.22 126.35,69.19 126.34,69.17 126.33,69.14 126.32,69.11 126.3,69.09 126.27,69.08 126.25,69.07 126.22,69.07 125.68,69.07 125.65,69.06 125.63,69.05 125.6,69.04 125.58,69.02 125.57,69 125.56,68.97 125.55,68.94 125.56,68.91 125.57,68.88 125.58,68.86 125.6,68.84 125.63,68.83 125.65,68.82 125.68,68.81 126.22,68.81 126.25,68.81 126.27,68.8 126.3,68.79 126.32,68.77 126.33,68.74 126.34,68.71 126.35,68.69 126.34,68.66 126.33,68.63 126.32,68.61 126.3,68.59 126.27,68.57 126.25,68.56 126.22,68.56 125.68,68.56 125.65,68.56 125.63,68.55 125.6,68.53 125.58,68.51 125.57,68.49 125.56,68.46 125.55,68.43 125.56,68.4 125.57,68.38 125.58,68.35 125.6,68.33 125.63,68.32 125.65,68.31 125.68,68.31 126.22,68.31 126.25,68.3 126.27,68.29 126.3,68.28 126.32,68.26 126.33,68.23 126.34,68.21 126.35,68.18 126.34,68.15 126.33,68.12 126.32,68.1 126.3,68.08 126.27,68.06 126.25,68.05 126.22,68.05 125.68,68.05 125.65,68.05 125.63,68.04 125.6,68.02 125.58,68 125.57,67.98 125.56,67.95 125.55,67.92 125.56,67.9 125.57,67.87 125.58,67.84 125.6,67.82 125.63,67.81 125.65,67.8 125.68,67.8 126.22,67.8 126.25,67.79 126.27,67.78 126.3,67.77 126.32,67.75 126.33,67.73 126.34,67.7 126.35,67.67 126.34,67.64 126.33,67.61 126.32,67.59 126.3,67.57 126.27,67.56 126.25,67.55 126.22,67.54 125.68,67.54 125.65,67.54 125.63,67.53 125.6,67.52 125.58,67.5 125.57,67.47 125.56,67.44 125.55,67.42 125.56,67.39 125.57,67.36 125.58,67.34 125.6,67.32 125.63,67.3 125.65,67.29 125.68,67.29 126.22,67.29 126.25,67.29 126.27,67.28 126.3,67.26 126.32,67.24 126.33,67.22 126.34,67.19 126.35,67.16 126.34,67.13 126.33,67.11 126.32,67.08 126.3,67.06 126.27,67.05 126.25,67.04 126.22,67.03 125.68,67.03 125.65,67.03 125.63,67.02 125.6,67.01 125.58,66.99 125.57,66.96 125.56,66.94 125.55,66.91 125.56,66.88 125.57,66.85 125.58,66.83 125.6,66.81 125.63,66.79 125.65,66.78 125.68,66.78 126.22,66.78 126.25,66.78 126.27,66.77 126.3,66.75 126.32,66.73 126.33,66.71 126.34,66.68 126.35,66.65 126.34,66.63 126.33,66.6 126.32,66.57 126.3,66.55 126.27,66.54 126.25,66.53 126.22,66.53 125.68,66.53 125.65,66.52 125.63,66.51 125.6,66.5 125.58,66.48 125.57,66.46 125.56,66.43 125.55,66.4 125.56,66.37 125.57,66.34 125.58,66.32 125.6,66.3 125.63,66.29 125.65,66.28 125.68,66.27 126.22,66.27 126.25,66.27 126.27,66.26 126.3,66.25 126.32,66.23 126.33,66.2 126.34,66.17 126.35,66.15 126.34,66.12 126.33,66.09 126.32,66.07 126.3,66.05 126.27,66.03 126.25,66.02 126.22,66.02 125.68,66.02 125.65,66.02 125.63,66.01 125.6,65.99 125.58,65.97 125.57,65.95 125.56,65.92 125.55,65.89 125.56,65.86 125.57,65.84 125.58,65.81 125.6,65.79 125.63,65.78 125.65,65.77 125.68,65.77 126.22,65.77 126.25,65.76 126.27,65.75 126.3,65.74 126.32,65.72 126.33,65.69 126.34,65.67 126.35,65.64 126.34,65.61 126.33,65.58 126.32,65.56 126.3,65.54 126.27,65.52 126.25,65.51 126.22,65.51 126.08,65.51 126.05,65.51 126.02,65.5 126,65.48 125.98,65.46 125.96,65.44 125.95,65.41 125.95,65.38 125.95,65 125.93,64.99 125.9,64.97 125.87,64.97 125.85,64.97 125.82,64.97 125.79,64.99 125.77,65 125.67,65.1 125.65,65.12 125.62,65.13 125.59,65.14 125.57,65.14 125.54,65.13 125.51,65.12 125.49,65.1 125.47,65.08 125.46,65.06 125.45,65.03 125.45,65 125.46,64.97 125.47,64.95 125.49,64.92 125.87,64.54 125.89,64.52 125.9,64.5 125.91,64.47 125.91,64.44 125.9,64.41 125.89,64.39 125.87,64.36 125.85,64.35 125.82,64.33 125.8,64.33 125.77,64.33 125.74,64.33 125.71,64.35 125.69,64.36 125.31,64.75 125.29,64.76 125.26,64.78 125.23,64.78 125.21,64.78 125.18,64.78 125.15,64.76 125.13,64.75 125.11,64.72 125.1,64.7 125.09,64.67 125.09,64.64 125.1,64.61 125.11,64.59 125.13,64.57 125.23,64.46 125.25,64.44 125.26,64.42 125.27,64.39 125.27,64.36 125.26,64.33 125.25,64.31 125.23,64.29 123.04,62.09 112.39,51.44 90.89,51.44 89.89,52.44 89.14,52.44 88.64,51.94 v4(87.64,51.94)